# Allegro board pc051c_toplevel_209edited.brd (continued)
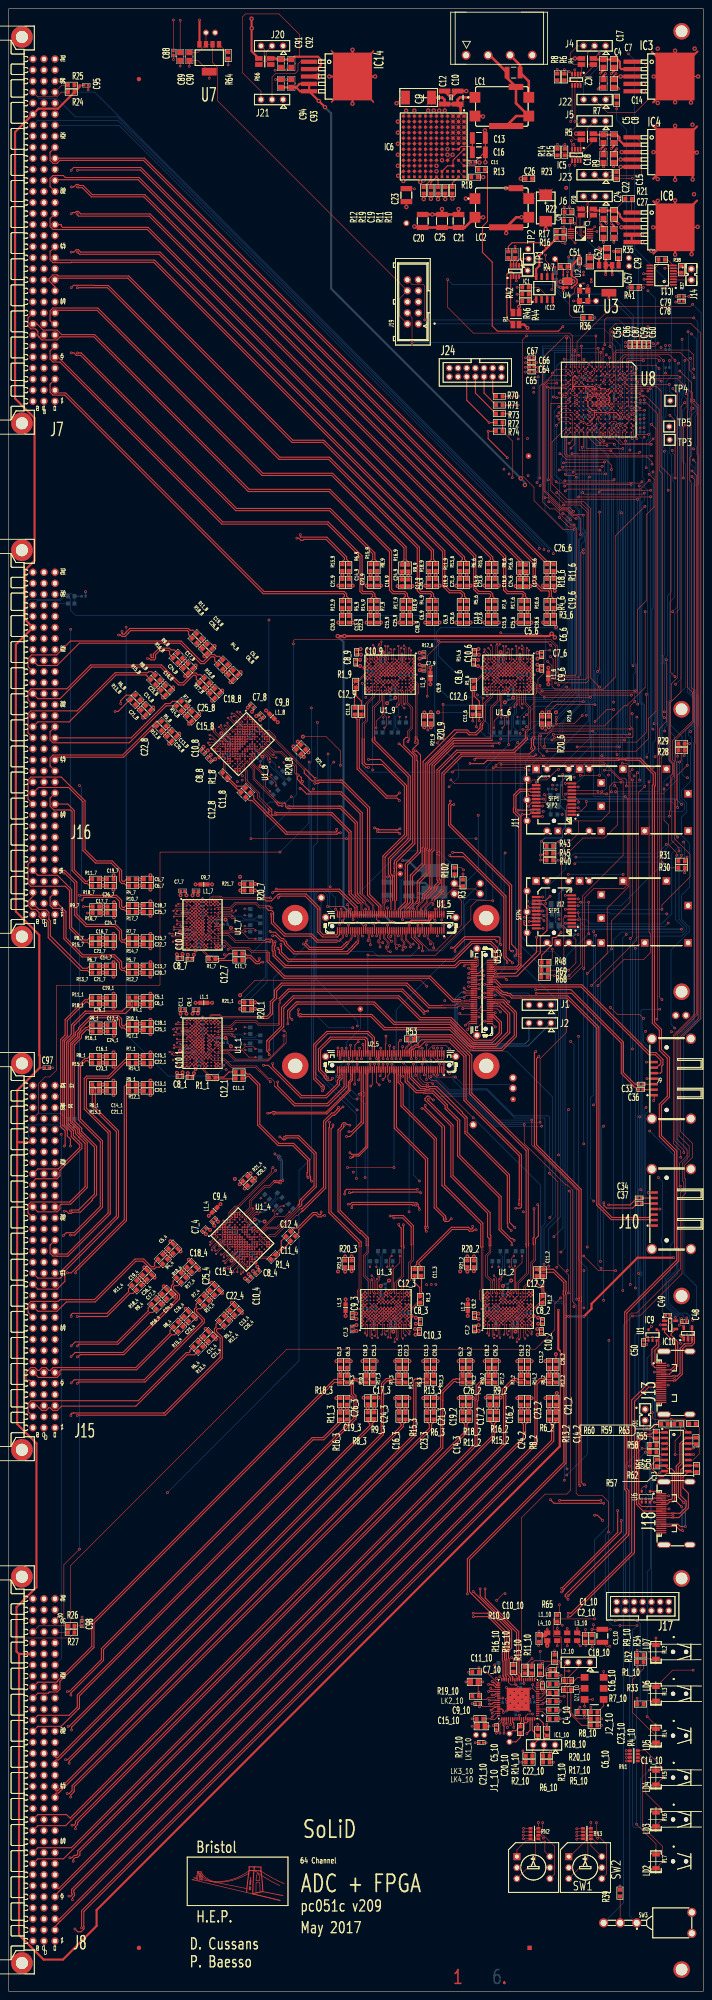
[diagram p0: board, top side]
## Nets (continued)
UNNAMED_1_LTM9007_I6_DCOB_2: R25_2.2(B<0>) U1_2.F9(DCOB+)
UNNAMED_1_LTM9007_I6_DCOB_3: R25_3.2(B<0>) U1_3.F9(DCOB+)
UNNAMED_1_LTM9007_I6_DCOB_4: R25_4.2(B<0>) U1_4.F9(DCOB+)
UNNAMED_1_LTM9007_I6_DCOB_6: R25_6.2(B<0>) U1_6.F9(DCOB+)
UNNAMED_1_LTM9007_I6_DCOB_7: R25_7.2(B<0>) U1_7.F9(DCOB+)
UNNAMED_1_LTM9007_I6_DCOB_8: R25_8.2(B<0>) U1_8.F9(DCOB+)
UNNAMED_1_LTM9007_I6_DCOB_9: R25_9.2(B<0>) U1_9.F9(DCOB+)
UNNAMED_1_LTM9007_I6_FRA_1: R22_1.1(A<0>) U1_1.H7(FRA-)
UNNAMED_1_LTM9007_I6_FRA_1_1: R22_1.2(B<0>) U1_1.H8(FRA+)
UNNAMED_1_LTM9007_I6_FRA_1_2: R22_2.2(B<0>) U1_2.H8(FRA+)
UNNAMED_1_LTM9007_I6_FRA_1_3: R22_3.2(B<0>) U1_3.H8(FRA+)
UNNAMED_1_LTM9007_I6_FRA_1_4: R22_4.2(B<0>) U1_4.H8(FRA+)
UNNAMED_1_LTM9007_I6_FRA_1_6: R22_6.2(B<0>) U1_6.H8(FRA+)
UNNAMED_1_LTM9007_I6_FRA_1_7: R22_7.2(B<0>) U1_7.H8(FRA+)
UNNAMED_1_LTM9007_I6_FRA_1_8: R22_8.2(B<0>) U1_8.H8(FRA+)
UNNAMED_1_LTM9007_I6_FRA_1_9: R22_9.2(B<0>) U1_9.H8(FRA+)
UNNAMED_1_LTM9007_I6_FRA_2: R22_2.1(A<0>) U1_2.H7(FRA-)
UNNAMED_1_LTM9007_I6_FRA_3: R22_3.1(A<0>) U1_3.H7(FRA-)
UNNAMED_1_LTM9007_I6_FRA_4: R22_4.1(A<0>) U1_4.H7(FRA-)
UNNAMED_1_LTM9007_I6_FRA_6: R22_6.1(A<0>) U1_6.H7(FRA-)
UNNAMED_1_LTM9007_I6_FRA_7: R22_7.1(A<0>) U1_7.H7(FRA-)
UNNAMED_1_LTM9007_I6_FRA_8: R22_8.1(A<0>) U1_8.H7(FRA-)
UNNAMED_1_LTM9007_I6_FRA_9: R22_9.1(A<0>) U1_9.H7(FRA-)
UNNAMED_1_LTM9007_I6_FRB_1: R24_1.1(A<0>) U1_1.J9(FRB-)
UNNAMED_1_LTM9007_I6_FRB_1_1: R24_1.2(B<0>) U1_1.J10(FRB+)
UNNAMED_1_LTM9007_I6_FRB_1_2: R24_2.2(B<0>) U1_2.J10(FRB+)
UNNAMED_1_LTM9007_I6_FRB_1_3: R24_3.2(B<0>) U1_3.J10(FRB+)
UNNAMED_1_LTM9007_I6_FRB_1_4: R24_4.2(B<0>) U1_4.J10(FRB+)
UNNAMED_1_LTM9007_I6_FRB_1_6: R24_6.2(B<0>) U1_6.J10(FRB+)
UNNAMED_1_LTM9007_I6_FRB_1_7: R24_7.2(B<0>) U1_7.J10(FRB+)
UNNAMED_1_LTM9007_I6_FRB_1_8: R24_8.2(B<0>) U1_8.J10(FRB+)
UNNAMED_1_LTM9007_I6_FRB_1_9: R24_9.2(B<0>) U1_9.J10(FRB+)
UNNAMED_1_LTM9007_I6_FRB_2: R24_2.1(A<0>) U1_2.J9(FRB-)
UNNAMED_1_LTM9007_I6_FRB_3: R24_3.1(A<0>) U1_3.J9(FRB-)
UNNAMED_1_LTM9007_I6_FRB_4: R24_4.1(A<0>) U1_4.J9(FRB-)
UNNAMED_1_LTM9007_I6_FRB_6: R24_6.1(A<0>) U1_6.J9(FRB-)
UNNAMED_1_LTM9007_I6_FRB_7: R24_7.1(A<0>) U1_7.J9(FRB-)
UNNAMED_1_LTM9007_I6_FRB_8: R24_8.1(A<0>) U1_8.J9(FRB-)
UNNAMED_1_LTM9007_I6_FRB_9: R24_9.1(A<0>) U1_9.J9(FRB-)
UNNAMED_2_1-HOLE_I191_A: LK4.1(A<0>) R3.1(A<0>) R102.1(A<0>) U1_5.90(JTAGEN)
UNNAMED_2_CAPCERSMDCL2_I261_B: C91.2(B<0>) C92.2(B<0>) IC14.2(IN) J21.3(A<2>) R66.2(C2<0>)
UNNAMED_2_CON3P_I232_A: J1.1(A<0>) U3_5.31(CLKIN2*)
UNNAMED_2_CON3P_I232_A_1: J1.3(A<2>) U3_5.33(CLKIN2)
UNNAMED_2_CON3P_I258_A: J20.3(A<2>) R66.3(S1<0>)
UNNAMED_2_CON3P_I258_A_1: J20.2(A<1>) R66.4(S2<0>)
UNNAMED_2_CON3P_I274_A: IC14.1(SHDN*) J21.2(A<1>)
UNNAMED_3_CAPCERSMDCL1_I104_A: C19.1(A<0>) IC6.F12(VFB) R19.2(B<0>)
UNNAMED_3_CAPCERSMDCL2_I44_B_10: C16_10.2(B<0>) QZ1_10.4(OUTP) R7_10.2(B<0>)
UNNAMED_3_CAPCERSMDCL2_I45_B_10: C14_10.2(B<0>) QZ1_10.5(OUTN) R4_10.2(B<0>)
UNNAMED_3_CAPCERSMDCL2_I57_B: C5.2(B<0>) C8.2(B<0>) IC4.2(IN) R5.2(C2<0>)
UNNAMED_3_CAPCERSMDCL2_I85_B: C22.2(B<0>) C24.2(B<0>) IC8.2(IN) R20.2(C2<0>) R21.1(A<0>)
UNNAMED_3_CAPCERSMDCL2_I119_<0>: C9.1(A<0>) C10.2(B<0>) C12.2(B<0>) IC6.A1(VIN<17>) IC6.A2(VIN<16>) IC6.A3(VIN<15>) IC6.A4(VIN<14>) IC6.A5(VIN<13>) IC6.A6(VIN<12>) IC6.B1(VIN<11>) IC6.B2(VIN<10>) IC6.B3(VIN<9>) IC6.B4(VIN<8>) IC6.B5(VIN<7>) IC6.B6(VIN<6>) IC6.C1(VIN<5>) IC6.C2(VIN<4>) IC6.C3(VIN<3>) IC6.C4(VIN<2>) IC6.C5(VIN<1>) IC6.C6(VIN<0>) LC1.1(B)
UNNAMED_3_CAPCERSMDCL2_I122_B: C11.2(B<0>) IC6.A9(TRACK/SS)
UNNAMED_3_CAPCERSMDCL2_I125_<0>: C13.2(B<0>) C16.2(B<0>) IC6.B7(VD<0>) IC6.C7(VD<1>)
UNNAMED_3_CAPCERSMDCL2_I133_B: C6.2(B<0>) J3.3(A<2>) LC1.2(CB)
UNNAMED_3_CAPCERSMDCL2_I134_B: C4.2(B<0>) C7.2(B<0>) IC3.2(IN) J22.3(A<2>) R4.2(C2<0>)
UNNAMED_3_CON3P_I83_A: IC7.1(V1) J6.3(A<2>) R20.3(S1<0>)
UNNAMED_3_CON3P_I83_A_1: IC7.2(V2) J6.2(A<1>) R20.4(S2<0>)
UNNAMED_3_CON3P_I173_A: IC3.1(SHDN*) J22.2(A<1>)
UNNAMED_3_CON3P_I173_A_1: J22.1(A<0>) R7.2(B<0>)
UNNAMED_3_CON3P_I174_A: IC4.1(SHDN*) J23.2(A<1>)
UNNAMED_3_CON3P_I174_A_1: J23.1(A<0>) R9.2(B<0>)
UNNAMED_3_INA219_I143_A0: IC2.7(A0) R8.2(B<0>)
UNNAMED_3_INA219_I143_A1: IC2.8(A1) R6.2(B<0>)
UNNAMED_3_INA219_I148_A0: IC5.7(A0) R15.1(A<0>)
UNNAMED_3_INA219_I148_A1: IC5.8(A1) R14.2(B<0>)
UNNAMED_3_INA219_I179_A0: IC1.7(A0) R2.2(B<0>)
UNNAMED_3_INA219_I179_A1: IC1.8(A1) R67.1(A<0>)
UNNAMED_3_LT1764A_I84_SHDN: IC8.1(SHDN*) R21.2(B<0>)
UNNAMED_3_LTC2990_I147_ADR0: IC7.8(ADR0) R17.1(A<0>)
UNNAMED_3_LTC2990_I147_ADR1: IC7.9(ADR1) R16.1(A<0>)
UNNAMED_3_LTM4606_I115_DRVCC<0>: IC6.A7(INTVCC) IC6.C10(DRVCC<0>) IC6.E11(DRVCC<1>) IC6.E12(DRVCC<2>)
UNNAMED_3_LTM4606_I115_FSET: IC6.B12(FSET) R10.2(B<0>) R11.1(A<0>)
UNNAMED_3_LTM4606_I115_MPGM1: IC6.A12(MPGM1) IC6.B11(MPGM2) R18.2(B<0>)
UNNAMED_3_LTM4606_I115_PGOOD: IC6.G12(PGOOD) R12.2(B<0>)
UNNAMED_3_LTM4606_I115_RUN1: IC6.A10(RUN1) IC6.B9(RUN2) R13.2(B<0>)
UNNAMED_3_OSC6PENDIFFOUT_I37_10: QZ1_10.1(ENDIS) R1_10.1(A<0>)
UNNAMED_3_RSMD0603_I57_B_10: IC1_10.39(I2C_SEL) R19_10.2(B<0>)
UNNAMED_3_RSMD0603_I58_B_10: IC1_10.11(OE*) R18_10.2(B<0>)
UNNAMED_3_RSMD0603_I60_B_10: IC1_10.48(FINC) R12_10.2(B<0>)
UNNAMED_3_RSMD0603_I62_B_10: IC1_10.25(FDEC) R15_10.2(B<0>)
UNNAMED_3_RSMD0603_I64_B_10: IC1_10.3(IN_SEL0) R17_10.2(B<0>)
UNNAMED_3_RSMD0603_I65_B_10: IC1_10.4(IN_SEL1) R20_10.2(B<0>)
UNNAMED_3_RSMD0603_I68_B_10: IC1_10.19(A0/CS) R16_10.2(B<0>)
UNNAMED_3_RSMD0603_I69_B_10: IC1_10.17(A1/SDO) R13_10.2(B<0>)
UNNAMED_5_LP38692_I130_EN: R64.1(A<0>) U7.1(EN)
UNNAMED_7_CAPCERSMDCL2_I3_A: C34.1(A<0>) J10.6(A<5>)
UNNAMED_7_CAPCERSMDCL2_I5_A: C37.1(A<0>) J10.5(A<4>)
UNNAMED_7_CAPCERSMDCL2_I11_A: C33.1(A<0>) J9.3(A<2>)
UNNAMED_7_CAPCERSMDCL2_I12_A: C36.1(A<0>) J9.2(A<1>)
UNNAMED_7_CAPCERSMDCL2_I16_B: C39.2(B<0>) C41.2(B<0>) J11.16(VCCT) L4.1(A<0>)
UNNAMED_7_CAPCERSMDCL2_I17_B: C32.2(B<0>) C35.2(B<0>) C38.2(B<0>) J11.15(VCCR) L2.2(B<0>)
UNNAMED_7_CAPCERSMDCL2_I27_B: C46.2(B<0>) C47.2(B<0>) J12.16(VCCT) L5.1(A<0>)
UNNAMED_7_CAPCERSMDCL2_I31_B: C43.2(B<0>) C44.2(B<0>) C45.2(B<0>) J12.15(VCCR) L3.2(B<0>)
UNNAMED_8_LED_I105_K: LD4.2(K) RN1.8(B<0>)
UNNAMED_8_LED_I107_K: LD3.2(K) RN1.7(B<0>)
UNNAMED_8_LED_I108_K: LD2.2(K) RN1.6(B<0>)
UNNAMED_8_LED_I285_K: LD7.2(K) R34.2(B<0>)
UNNAMED_8_LED_I288_K: LD6.2(K) R33.2(B<0>)
UNNAMED_8_LED_I293_K: LD5.2(K) R32.2(B<0>)
UNNAMED_11_24AA025E48_I159_A0: IC12.1(A0) R46.1(A<0>)
UNNAMED_11_24AA025E48_I159_A1: IC12.2(A1) R44.1(A<0>)
UNNAMED_11_24AA025E48_I159_A2: IC12.3(A2) R42.1(A<0>)
UNNAMED_11_CON2P_I154_A: IC11.3(DP) J14.2(A<1>)
UNNAMED_11_CON2P_I154_A_1: IC11.4(DM) J14.1(A<0>)
UNNAMED_11_LM82_I138_ADD: IC11.10(ADD<0>) R38.1(A<0>)
UNNAMED_11_LM82_I138_ADD_1: IC11.6(ADD<1>) R37.1(A<0>)
UNNAMED_11_LP38692_I193_EN: R35.1(A<0>) U3.1(EN)
UNNAMED_11_LP38692SD_I128_EN: R47.1(A<0>) U4.3(EN)
UNNAMED_11_RSMD0603_I137_A: R39.1(A<0>) SW3.2(A)
UNNAMED_15_CON2P_I271_A: IC13.4(EN) J31.2(A<1>) R60.1(A<0>)
UNNAMED_15_DS90LV032A_I246_EN: IC13.12(EN*) R59.2(B<0>)
UNNAMED_15_DS90LV032A_I246_RO_1: IC13.11(ROUT<0>) R63.1(A<0>)
UNNAMED_15_DS90LV032A_I246_RO_2: IC13.5(ROUT<0>) R62.1(A<0>)
UNNAMED_15_DS90LV032A_I246_ROUT: IC13.3(ROUT<0>) R61.1(A<0>)
VMON2V5A: IC5.1(VIN+) J5.3(A<2>) R5.3(S1<0>)
VMON2V5B: IC5.2(VIN-) J5.2(A<1>) R5.4(S2<0>)
VMON3V3A: IC2.1(VIN+) J4.3(A<2>) R4.3(S1<0>)
VMON3V3B: IC2.2(VIN-) J4.2(A<1>) R4.4(S2<0>)
VMON5V_FPGA_A: IC1.1(VIN+) R1.3(S1<0>)
VMON5V_FPGA_B: IC1.2(VIN-) R1.4(S2<0>)
XA_10: C16_10.1(A<0>) IC1_10.8(XA) J2_10.3(A<2>) R8_10.2(B<0>)
XB_10: C14_10.1(A<0>) IC1_10.9(XB) J2_10.2(A<1>) R8_10.1(A<0>)

Pads without a net: IC1_10 1 2 5 7 10 14 15 20 21 55 56; IC6 A8 A11 C11 C12 D11 D12 J12 K12 L12; IC11 1 5 9 11 13 15; IC12 7; J7 1 2; J8 1 2; J13 13 14 15 16 17 18 19; J15 1 2 B26; J16 1 2; J17 1 12 13 14; J18 13 14 17 18 19; J19 5 6; J24 1 12 13 14; NOREF#2 1; NOREF#6 1; NOREF#9 1; NOREF#10 1; NOREF#16 1; NOREF#21 1; NOREF#32 1; NOREF#36 1; NOREF#39 1; NOREF#54 1; NOREF#55 1; NOREF#57 1; QZ1 1; QZ1_10 2; RN1 5; SFP1 NC; SFP2 NC; SFP3 NC; SFP4 NC; U1_1 B3 B6 C7 C8 D7 D8 E9 E10 F3 F7 F8 J3 K7 K8 L9 L10 M9 M10 N3 N8 P8; U1_2 B3 B6 C7 C8 D7 D8 E9 E10 F3 F7 F8 J3 K7 K8 L9 L10 M9 M10 N3 N8 P8; U1_3 B3 B6 C7 C8 D7 D8 E9 E10 F3 F7 F8 J3 K7 K8 L9 L10 M9 M10 N3 N8 P8; U1_4 B3 B6 C7 C8 D7 D8 E9 E10 F3 F7 F8 J3 K7 K8 L9 L10 M9 M10 N3 N8 P8; U1_5 3 5 9 11 80 101 102; U1_6 B3 B6 C7 C8 D7 D8 E9 E10 F3 F7 F8 J3 K7 K8 L9 L10 M9 M10 N3 N8 P8; U1_7 B3 B6 C7 C8 D7 D8 E9 E10 F3 F7 F8 J3 K7 K8 L9 L10 M9 M10 N3 N8 P8; U1_8 B3 B6 C7 C8 D7 D8 E9 E10 F3 F7 F8 J3 K7 K8 L9 L10 M9 M10 N3 N8 P8; U1_9 B3 B6 C7 C8 D7 D8 E9 E10 F3 F7 F8 J3 K7 K8 L9 L10 M9 M10 N3 N8 P8; U2_5 6 30 101 102; U3_5 55 56 61 62; U8 A1 C2 C5 C6 C8 C9 C10 C11 C12 C13 C14 C15 D1 D4 D6 D7 D8 D9 D10 D11 D13 D14 D16 E4 E5 E6 E7 E8 E9 E10 E11 E12 E13 F5 F12 F13 G1 G2 G4 G5 G11 G12 G13 H4 H5 H12 H13 J4 J5 J12 J13 J16 K4 K5 K12 L3 L4 L5 L12 L13 L14 M2 M3 M4 M5 M6 M7 M8 M9 M10 M11 M12 M13 M14 N3 N4 N5 N6 N7 N8 N9 N10 N11 N13 N14 P2 P4 P6 P7 P8 P9 P10 P11 P13 P14 T2 T9 T11 T12 T13 T14

## Via types
v1: diameter 0.61, hole 0.33, TOP to BOTTOM, 1329 vias
v2: diameter 0.914, hole 0.406, TOP to BOTTOM, 412 vias
v3: diameter 1.016, hole 0.5, TOP to BOTTOM, 97 vias
v4: diameter 0.476, hole 0.2, TOP to BOTTOM, 896 vias

## Routing (per net, layer and track width the routed paths; a pad name or vN(x,y) marks a point on that pad's centre or on a via; arc(x,y) is an arc through that point)
1.5VOUT: length 29.9
  TOP w0.18: U2_5.20 v1(95.75,214.57)
  L4 w0.13: LK10.1 98.5,205.25 95.16,208.59 95.16,212.15 95.75,212.75 v1(95.75,214.57)
1.8VOUT: length 12.1
  TOP w0.18: U1_5.40 v1(90.75,246.57)
  BOTTOM w0.13: LK11.1 90.14,257.09 90.14,247.17 v1(90.75,246.57)
3.3VCTREF: length 21
  TOP w0.18: U1_5.13 v1(97.25,245.33)
  BOTTOM w0.13: LK12.1 91.25,257.9 91.25,256.37 90.4,255.52 90.4,247.9 91.5,246.8 95.78,246.8 v1(97.25,245.33)
3.3VOUT: length 22.3
  TOP w0.13: v1(102.88,210.37) 98.44,210.37 97.95,210.87 98.25,211.17 U2_5.9
  TOP w0.18: U2_5.11 97.75,210.87 97.95,210.87
  BOTTOM w0.13: v1(102.88,210.37) 104.58,208.66 115.29,208.66 LK1.1
3V3_CONN: length 93.2
  TOP w0.13: LK20.1 U7.3 ; U7.3 U7.2 46.95,443.83 48.11,442.67 48.11,435.01 J19.8 90.1,389.56 90.1,385.4 J19.2 ; U7.3 45.45,447.96 43.59,446.1 C90.2
DGND: length 24.3
  TOP w0.6: J3.2 110.8,445.5 C6.1 114.8,440.25 LC1.5 116.85,434.45 LC1.4 116.9,431.5 LC1.6
GND_SIGNAL: length 2855.8
  TOP w0.129: U8.G9 v1(137.9,366.25) U8.G8 ; v1(137.95,368.35) 137.4,367.8 U8.G7 ; IC9.2 v1(150.1,153.35) ; U8.K7 v1(133.9,368.25)
  TOP w0.13: U1_1.A5 v4(43.85,222.95) ; U1_1.A5 44.65,223.75 ; U1_1.A5 v4(43.85,223.75) U1_1.A4 ; v4(43.85,222.95) U1_1.A4 ; v4(43.85,222.95) U1_1.B4 ; v4(43.85,222.95) U1_1.B5 U1_1.C6 U1_1.D5 ; U1_6.K5 v4(112.6,302.95) U1_6.K6 v4(113.4,302.95) ; U1_6.K5 113.28,303.63 113.4,303.63 ; U1_6.K5 v4(112.6,303.75) ; U1_6.K5 v4(113.4,302.95) ; U1_6.A6 v4(119.8,302.15) ; U1_6.A6 v4(120.6,302.15) U1_6.A7 v4(119.8,302.15) ; U1_6.A6 120.6,302.95 ; v4(119.8,302.15) U1_6.B7 ; U1_1.P3 42.65,212.65 v2(43.05,212.25) ; U1_1.P3 v4(42.25,213.35) U1_1.P2 v4(41.45,212.55) U1_1.P1 v4(40.65,212.55) ; U1_1.P3 v4(43.05,213.35) ; U1_4.K5 v4(55.5,171.3) U1_4.K6 v4(54.93,171.87) ; U1_4.K5 v4(54.93,170.74) ; U1_4.K5 v4(54.93,171.87) ; U1_4.K5 v4(54.37,171.3) ; v4(81.3,160.2) 81.42,160.2 ; 81.42,160.2 81.42,160.32 U1_3.A10 ; 81.42,160.2 81.42,160.08 U1_3.A9 ; v4(43.05,218.95) U1_1.G3 ; v4(43.05,218.95) U1_1.F4 ; v4(43.05,218.95) U1_1.G4 ; U1_1.G3 v4(42.25,218.95) U1_1.F2 ; U1_1.G3 v4(43.05,218.15) ; U1_1.G3 v4(42.25,218.15) U1_1.H3 ; v4(87.85,303.75) U1_9.H5 ; v4(87.85,303.75) U1_9.G5 ; v4(87.85,303.75) U1_9.H4 ; v4(87.85,303.75) U1_9.G4 ; U1_9.H5 v4(87.85,302.95) ; U1_9.H5 v4(87.05,303.75) ; U1_9.H5 v4(87.05,302.95) ; R14.1 v1(126.4,425) ; U1_3.G5 v4(86.9,157) ; U1_3.G5 v4(86.9,156.2) ; U1_3.G5 v4(86.1,156.2) ; U1_3.G5 v4(86.1,157) ; v4(86.9,157) U1_3.G6 v4(86.1,157) ; v4(86.9,157) U1_3.H6 v4(87.7,157) ; v4(86.9,157) U1_3.H5 ; U1_4.A5 v4(49.27,176.39) U1_4.A4 ; U1_4.A5 v4(49.84,175.83) ; U1_4.A5 49.84,176.96 ; C65.1 v1(119.05,372.6) ; v4(119.8,303.75) U1_6.B5 U1_6.C6 U1_6.D5 ; v4(119.8,303.75) U1_6.B4 ; v4(119.8,303.75) U1_6.A5 ; v4(119.8,303.75) U1_6.A4 ; R42.2 v1(117.1,392.1) ; U1_6.A9 120.48,299.87 120.48,299.75 ; U1_6.A9 119.8,299.75 ; U1_6.A9 120.5,300.45 v4(120.7,300.45) ; U1_6.A9 v4(119.8,300.55) U1_6.B9 119.8,299.75 ; U1_1.F4 v4(43.85,218.95) ; U1_1.F4 v4(43.85,219.75) U1_1.F5 v4(44.65,218.95) ; v4(43.85,218.95) U1_1.G5 ; v4(43.85,218.95) U1_1.G4 ; U1_4.J4 v4(53.23,171.3) ; U1_4.J4 v4(54.37,171.3) ; U1_4.J4 v4(53.8,171.87) ; v4(53.23,171.3) U1_4.H3 ; v4(53.23,171.3) U1_4.H4 ; U1_7.B7 v4(45.45,250.2) ; v4(45.45,250.2) U1_7.A7 v4(45.45,251) U1_7.A6 ; v4(45.45,250.2) U1_7.A6 ; 116.65,156.32 v4(116.65,156.2) U1_2.J4 ; 116.65,156.32 116.77,156.32 U1_2.K5 ; 116.65,156.32 116.53,156.32 U1_2.J5 ; v4(52.72,287) U1_8.J4 ; v4(52.72,287) U1_8.H5 ; v4(52.72,287) U1_8.H4 ; v4(52.72,287) U1_8.J5 ; U1_8.J4 v4(52.15,286.43) ; U1_8.J4 v4(52.15,287.57) ; U1_8.G4 v4(53.28,288.7) ; U1_8.G4 v4(53.85,288.13) ; U1_8.G4 v4(52.72,288.13) ; U1_8.G4 v4(53.28,287.57) ; v4(53.28,288.7) U1_8.F4 ; v4(53.28,288.7) U1_8.G3 ; v4(88.65,302.95) U1_9.G6 v4(87.85,302.95) ; v4(88.65,302.95) U1_9.F6 ; v4(88.65,302.95) U1_9.G5 ; v4(88.65,302.95) U1_9.F5 v4(89.45,303.75) U1_9.F4 ; U1_7.J4 v4(43.85,243.8) 43.97,243.8 ; U1_7.J4 v4(43.85,244.6) ; U1_7.J4 v4(43.05,244.6) ; v4(54.37,171.3) U1_4.J5 ; U1_1.K5 43.97,216.43 43.97,216.55 ; U1_1.K5 v4(44.65,216.55) ; U1_1.K5 v4(44.65,215.75) U1_1.K6 v4(44.65,216.55) ; U1_1.K5 v4(43.85,215.75) ; U1_7.B4 v4(43.05,250.2) U1_7.A4 ; U1_7.B4 v4(43.05,249.4) ; U1_7.B4 v4(43.85,250.2) ; v4(43.05,244.6) U1_7.H3 ; v4(43.05,244.6) U1_7.H4 ; U1_7.H3 v4(43.05,245.4) ; U1_7.H3 v4(42.25,245.4) U1_7.G3 ; 119.8,299.75 U1_6.B10 v4(119.8,298.95) U1_6.A10 ; 119.8,299.75 U1_6.A10 ; 81.42,155.4 81.42,155.28 U1_3.A3 v4(81.3,154.6) U1_3.A2 v4(81.3,153.8) U1_3.A1 v4(81.3,153) ; 81.42,155.4 v4(81.3,155.4) ; 81.42,155.4 81.42,155.52 U1_3.A4 ; v4(52.72,285.87) U1_8.J6 v4(53.28,286.43) ; v4(52.72,285.87) U1_8.J5 ; v4(52.72,285.87) U1_8.K6 v4(52.15,285.3) U1_8.K5 ; v4(52.72,285.87) U1_8.K5 ; v4(93.55,300.45) 93.35,300.45 U1_9.A9 ; v4(54.37,172.43) U1_4.H5 ; v4(54.37,172.43) U1_4.H6 v4(53.8,173) ; v4(54.37,172.43) U1_4.J5 ; v4(54.37,172.43) U1_4.J6 v4(54.93,171.87) ; U1_4.H5 v4(53.23,172.43) ; U1_4.H5 v4(53.8,171.87) ; U1_4.H5 v4(53.8,173) ; U1_1.N5 v4(44.65,213.35) U1_1.N6 v4(45.45,213.35) ; 92.65,299.75 U1_9.A9 ; 92.65,299.75 U1_9.A10 ; 92.65,299.75 U1_9.B10 v4(92.65,298.95) U1_9.A10 ; 92.65,299.75 U1_9.B9 v4(92.65,300.55) U1_9.A9 ; U1_9.A9 93.33,299.87 93.33,299.75 ; U1_3.A5 v4(81.3,156.2) U1_3.A4 ; U1_3.A5 81.3,157 ; U1_3.A5 v4(82.1,156.2) ; v4(90,152.9) 89.7,153.2 U1_3.L1 v4(90.1,153.8) U1_3.L2 v4(90.1,154.6) U1_3.M3 v4(90.1,155.4) U1_3.M4 v4(90.9,155.4) U1_3.N4 v4(91.7,155.4) ; R39.2 v1(140.8,24.25) ; U1_8.H3 v4(52.15,288.7) U1_8.G3 ; U1_8.H3 v4(52.72,288.13) ; U1_8.H3 v4(52.15,287.57) ; U1_6.G5 v4(115.8,303.75) ; U1_6.G5 v4(115.8,302.95) ; U1_6.G5 v4(115,302.95) ; U1_6.G5 v4(115,303.75) ; v4(115.8,303.75) U1_6.F4 ; v4(115.8,303.75) U1_6.G4 ; U1_7.F4 v4(43.05,246.2) ; U1_7.F4 v4(43.85,246.2) ; U1_7.F4 v4(43.85,247) U1_7.F5 v4(44.65,246.2) ; v4(43.05,246.2) U1_7.G4 ; v4(43.05,246.2) U1_7.G3 ; 47.85,222.95 U1_1.B9 v4(47.05,222.95) U1_1.A9 ; 47.85,222.95 U1_1.A10 ; 47.85,222.95 U1_1.A9 ; 47.85,222.95 U1_1.B10 v4(48.65,222.95) U1_1.A10 ; U1_1.A4 43.17,223.63 43.05,223.63 ; U1_1.A4 v4(43.05,222.95) U1_1.B4 ; 43.05,250.88 42.93,250.88 U1_7.A3 v4(42.25,251) U1_7.A2 v4(41.45,251) U1_7.A1 v4(40.65,251) ; 43.05,250.88 43.17,250.88 U1_7.A4 ; 43.05,250.88 v4(43.05,251) ; v4(115,303.75) U1_6.G4 ; v4(115,303.75) U1_6.H4 ; v4(115,303.75) U1_6.H5 ; U1_6.G4 v4(115,304.55) ; U1_6.G4 v4(115.8,304.55) ; 52.67,178.66 U1_4.A10 ; 52.67,178.66 U1_4.B10 v4(53.23,179.22) U1_4.A10 ; 52.67,178.66 U1_4.B9 v4(52.1,178.09) U1_4.A9 ; 52.67,178.66 U1_4.A9 ; U1_4.A10 v4(52.1,179.22) U1_4.A9 ; U1_4.A4 v4(49.27,175.26) U1_4.B4 ; U1_4.A4 v4(49.84,175.83) ; U1_4.A4 v4(48.71,175.83) U1_4.A3 v4(48.14,175.26) U1_4.A2 v4(47.58,174.7) U1_4.A1 v4(47.01,174.13) ; v4(43.05,217.35) U1_1.H4 ; v4(43.05,217.35) U1_1.J4 ; v4(43.05,217.35) U1_1.H3 ; U1_1.H4 v4(43.85,218.15) ; U1_1.H4 v4(43.85,217.35) ; U1_1.H4 v4(43.05,218.15) ; 120.48,304.55 120.48,304.67 U1_6.A3 v4(120.6,305.35) U1_6.A2 v4(120.6,306.15) U1_6.A1 v4(120.6,306.95) ; 120.48,304.55 120.48,304.43 U1_6.A4 ; 120.48,304.55 v4(120.6,304.55) ; U1_6.A10 120.48,299.63 120.48,299.75 ; J13.2 v1(151.92,144) ; U1_8.A4 v4(56.68,292.09) U1_8.A3 v4(56.11,292.66) U1_8.A2 v4(55.55,293.22) U1_8.A1 v4(54.98,293.79) ; U1_8.A4 v4(56.11,291.53) U1_8.B4 ; U1_8.A4 v4(56.68,290.96) ; U1_8.A4 v4(57.24,291.53) U1_8.A5 ; U1_9.H3 v4(87.85,304.55) ; U1_9.H3 v4(87.05,304.55) ; U1_9.H3 v4(87.85,305.35) U1_9.G3 ; v4(87.85,304.55) U1_9.H4 ; v4(87.85,304.55) U1_9.G3 ; v4(87.85,304.55) U1_9.G4 ; v4(58.33,169.61) U1_4.P7 v4(57.76,170.17) ; U1_4.G4 v4(52.67,171.87) ; U1_4.G4 v4(52.1,172.43) ; U1_4.G4 v4(52.67,173) ; U1_4.G4 v4(53.23,172.43) ; v4(52.67,171.87) U1_4.H4 ; v4(52.67,171.87) U1_4.H3 ; v4(52.67,171.87) U1_4.G3 ; U1_2.B7 v4(110.25,157.8) ; v4(110.25,157.8) U1_2.A7 v4(109.45,157.8) U1_2.A6 ; v4(110.25,157.8) U1_2.A6 ; v4(44.65,244.6) U1_7.J6 v4(44.65,243.8) ; v4(44.65,244.6) U1_7.H6 v4(44.65,245.4) ; v4(44.65,244.6) U1_7.J5 ; v4(44.65,244.6) U1_7.H5 ; U1_8.B4 v4(56.68,290.96) ; U1_8.B4 v4(55.55,290.96) ; v4(56.68,290.96) U1_8.B5 U1_8.C6 U1_8.D5 ; v4(56.68,290.96) U1_8.A5 ; v2(120.95,155.4) 120.55,155 U1_2.P3 ; v4(87.05,304.55) U1_9.J4 ; v4(87.05,304.55) U1_9.H4 ; v4(44.65,243.8) U1_7.K6 v4(44.65,243) U1_7.K5 ; v4(44.65,243.8) U1_7.K5 ; v4(44.65,243.8) U1_7.J5 ; U1_3.H5 v4(87.7,156.2) ; U1_3.H5 v4(87.7,157) ; U1_3.H5 v4(86.9,156.2) ; v4(87.7,156.2) U1_3.J4 ; v4(87.7,156.2) U1_3.J5 ; v4(87.7,156.2) U1_3.H4 ; v4(52.1,172.43) U1_4.G3 ; v4(52.1,172.43) U1_4.F4 ; U1_4.A9 51.68,178.66 v4(51.54,178.8) ; v4(51.59,288.13) U1_8.J2 U1_8.J1 49.75,288.7 v2(48.97,289.47) ; v1(61.35,442.05) 62.05,442.05 C91.1 ; U1_7.G4 v4(43.05,245.4) ; U1_7.G4 v4(43.85,246.2) ; U1_7.G4 v4(43.85,245.4) ; U1_3.A9 v4(82.1,159.4) U1_3.B9 82.1,160.2 ; U1_3.A9 82.1,160.2 ; U1_3.A9 81.4,159.5 v4(81.2,159.5) ; U2_5.59 85.75,210.85 v1(85.55,210.65) ; v4(47.85,240.6) U1_7.P9 v4(47.85,239.8) U1_7.P10 ; v4(47.85,240.6) U1_7.P10 ; v4(47.85,240.6) U1_7.N9 ; v4(47.85,240.6) U1_7.N10 v4(48.65,240.6) U1_7.P10 ; U1_9.H4 v4(87.05,303.75) ; v1(156.2,154.95) 156.2,154.7 156.1,154.6 C48.1 ; U1_3.F2 v4(85.3,153.8) U1_3.F1 ; U1_3.F2 v4(85.3,154.6) ; U1_3.F2 v4(86.1,154.6) U1_3.G3 ; v4(53.85,288.13) U1_8.F4 ; v4(53.85,288.13) U1_8.G5 ; 81.3,157 U1_3.A6 ; 81.3,157 v4(80.8,157) ; v4(44.65,218.95) U1_1.F6 ; v4(44.65,218.95) U1_1.G5 ; v4(44.65,218.95) U1_1.G6 v4(44.65,218.15) ; U1_6.H9 114.57,300.12 114.57,299.38 U1_6.H10 114.57,299.32 114.57,298.89 v4(114.25,298.56) ; v4(56.06,168.47) U1_4.N4 v4(55.5,169.04) U1_4.M4 v4(54.93,169.61) U1_4.M3 v4(54.37,169.04) U1_4.L2 v4(53.8,168.47) U1_4.L1 53.09,168.33 v4(53.09,167.91) ; v4(56.06,168.47) U1_4.P3 ; v4(56.06,168.47) U1_4.P4 ; U2_5.60 85.69,215.86 v1(85.69,217.01) ; v4(87.05,303.75) U1_9.J4 ; v4(87.05,303.75) U1_9.J5 ; U1_9.J4 v4(86.25,303.75) 86.25,303.63 ; v2(38.14,159.81) C24_4.1 C17_4.1 v2(35.73,162.22) ; U1_3.K5 v4(89.3,157) U1_3.K6 v4(88.5,157) ; U1_3.K5 v4(88.5,157) ; U1_3.K5 88.62,156.32 88.5,156.32 ; U1_3.K5 v4(89.3,156.2) ; U1_8.F4 v4(54.42,288.7) U1_8.F5 v4(54.42,287.57) ; v4(115.81,161.39) 115.48,161.06 115.48,160.63 U1_2.H10 115.48,160.57 115.48,159.83 U1_2.H9 ; 82.1,160.2 U1_3.A10 ; 82.1,160.2 U1_3.B10 v4(82.1,161) U1_3.A10 ; v4(53.23,173.57) U1_4.G5 ; v4(53.23,173.57) U1_4.F5 v4(52.1,173.57) U1_4.F4 ; v4(53.23,173.57) U1_4.F6 ; v4(53.23,173.57) U1_4.G6 v4(53.8,173) ; U1_4.G5 v4(53.23,172.43) ; U1_4.G5 v4(53.8,173) ; U1_4.G5 v4(52.67,173) ; U1_9.G3 v4(88.65,305.35) U1_9.F2 ; U1_9.G3 v4(88.65,304.55) ; U1_2.H4 v4(115.85,156.2) ; U1_2.H4 v4(115.05,156.2) ; U1_2.H4 v4(115.05,155.4) ; U1_2.H4 v4(115.85,155.4) ; v4(115.85,156.2) U1_2.J4 ; v4(115.85,156.2) U1_2.J5 ; v4(115.85,156.2) U1_2.H5 ; v2(81.95,304.55) 82.35,304.95 U1_9.P3 ; U1_6.D5 v4(117.4,303.75) U1_6.E5 ; U1_6.D5 v4(118.2,303.75) U1_6.C4 v4(119,304.55) ; U1_7.J5 43.97,243.92 43.97,243.8 ; U1_7.J5 v4(43.85,244.6) ; U1_6.H4 v4(115,304.55) ; U1_6.H4 v4(114.2,304.55) ; U1_6.H4 v4(114.2,303.75) ; v4(115,304.55) U1_6.H3 ; v4(115,304.55) U1_6.G3 ; v4(119.85,155.4) U1_2.P3 ; v4(119.85,155.4) U1_2.P4 ; v4(119.85,155.4) U1_2.N4 v4(119.05,155.4) U1_2.M4 v4(118.25,155.4) U1_2.M3 v4(118.25,154.6) U1_2.L2 v4(118.25,153.8) U1_2.L1 117.85,153.2 v4(118.15,152.9) ; U1_2.P3 v4(119.85,154.6) U1_2.P2 v4(120.65,153.8) U1_2.P1 v4(120.65,153) ; 44.65,223.75 v4(44.65,224.25) ; 44.65,223.75 U1_1.A6 ; U1_7.H4 v4(43.05,245.4) ; U1_7.H4 v4(43.85,244.6) ; U1_7.H4 v4(43.85,245.4) ; v4(43.05,245.4) U1_7.G3 ; v2(88.6,151.8) 88.6,152.9 U1_3.J1 U1_3.J2 v4(87.7,154.6) ; v4(91.7,160.2) U1_3.P9 v4(92.5,160.2) U1_3.P10 ; v4(91.7,160.2) U1_3.N9 ; v4(91.7,160.2) U1_3.P10 ; v4(91.7,160.2) U1_3.N10 v4(91.7,161) U1_3.P10 ; C52.1 v1(132.7,397.05) ; U1_6.F2 v4(115.8,305.35) U1_6.G3 ; U1_6.F2 v4(116.6,306.15) U1_6.F1 ; U1_6.F2 v4(116.6,305.35) ; U1_8.H4 v4(52.72,288.13) ; U1_8.H4 v4(53.28,287.57) ; U1_8.H4 v4(52.15,287.57) ; v4(52.72,288.13) U1_8.G3 ; v4(45.45,240.6) U1_7.N6 v4(44.65,240.6) U1_7.N5 ; v4(45.45,240.6) U1_7.P7 v4(45.45,239.8) ; v4(45.45,240.6) U1_7.N7 ; v4(50.97,176.96) U1_4.A7 v4(50.41,177.53) U1_4.A6 ; v4(50.97,176.96) U1_4.B7 ; v4(50.97,176.96) U1_4.A6 ; v4(110.2,304.55) U1_6.P3 ; v4(110.2,304.55) U1_6.P4 ; v4(110.2,304.55) U1_6.N4 v4(111,304.55) U1_6.M4 v4(111.8,304.55) U1_6.M3 v4(111.8,305.35) U1_6.L2 v4(111.8,306.15) U1_6.L1 112.2,306.75 v4(111.9,307.05) ; U1_6.P3 109.5,304.95 v2(109.1,304.55) ; U1_6.P3 v4(110.2,305.35) U1_6.P2 v4(109.4,306.15) U1_6.P1 v4(109.4,306.95) ; v4(49.84,174.7) U1_4.C3 ; v4(49.84,174.7) U1_4.C4 v4(50.97,174.7) U1_4.D5 ; v4(49.84,174.7) U1_4.B4 ; U1_4.C3 v4(49.84,173.57) U1_4.D2 U1_4.D1 49.27,172.39 v4(48.43,171.55) ; U1_4.C3 v4(49.27,174.13) ; U1_2.C3 v4(111.05,154.6) ; U1_2.C3 v4(111.85,154.6) U1_2.D2 U1_2.D1 112.28,153.37 v4(112.28,152.17) ; U1_2.C3 v4(111.05,155.4) ; v4(42.25,247) U1_7.F2 ; U1_7.F2 v4(42.25,246.2) U1_7.G3 ; U1_7.F2 v4(41.45,247) U1_7.F1 ; J18.2 v1(152,114) ; U1_6.H5 v4(115,302.95) ; U1_6.H5 v4(114.2,303.75) ; U1_6.H5 v4(114.2,302.95) ; v4(115,302.95) U1_6.H6 v4(114.2,302.95) ; v4(115,302.95) U1_6.G6 v4(115.8,302.95) ; U1_2.K5 v4(116.65,157) ; U1_2.K5 v4(117.45,157) U1_2.K6 v4(116.65,157) ; U1_2.K5 v4(117.45,156.2) ; v4(116.65,157) U1_2.J6 v4(115.85,157) ; v4(116.65,157) U1_2.J5 ; 43.05,223.63 42.93,223.63 U1_1.A3 v4(42.25,223.75) U1_1.A2 v4(41.45,223.75) U1_1.A1 v4(40.65,223.75) ; 43.05,223.63 v4(43.05,223.75) ; U1_6.F4 v4(116.6,303.75) U1_6.F5 v4(115.8,302.95) ; U1_6.F4 v4(115.8,304.55) ; 110.25,160.2 U1_2.B10 v4(110.25,161) U1_2.A10 ; 110.25,160.2 U1_2.A9 ; 110.25,160.2 U1_2.B9 v4(110.25,159.4) U1_2.A9 ; 110.25,160.2 U1_2.A10 ; v4(88.5,157) U1_3.J5 ; v4(88.5,157) U1_3.J6 v4(87.7,157) ; U1_1.A6 v4(45.45,222.95) ; U1_1.A6 v4(45.45,223.75) U1_1.A7 v4(45.45,222.95) ; U1_8.P3 48.55,284.53 v2(48.55,283.96) ; U1_8.P3 v4(49.32,284.74) ; U1_8.P3 v4(48.76,285.3) U1_8.P2 v4(47.63,285.3) U1_8.P1 v4(47.06,285.87) ; U1_3.D5 v4(83.7,156.2) U1_3.C4 v4(82.9,155.4) ; U1_3.D5 U1_3.C6 U1_3.B5 v4(82.1,156.2) ; U1_3.D5 v4(84.5,156.2) U1_3.E5 ; v4(44.65,217.35) U1_1.J6 v4(44.65,216.55) ; v4(44.65,217.35) U1_1.H5 ; v4(44.65,217.35) U1_1.J5 ; v4(44.65,217.35) U1_1.H6 v4(44.65,218.15) ; v4(56.42,283.37) 56.42,283.82 56.11,284.12 U1_8.H10 56.07,284.17 55.55,284.69 U1_8.H9 ; v4(114.2,305.35) U1_6.J2 U1_6.J1 113.3,307.05 v2(113.3,308.15) ; v4(53.23,172.43) U1_4.H4 ; v4(119.85,157.8) U1_2.P7 v4(120.65,157.8) ; v4(119.85,157.8) U1_2.N7 ; v4(119.85,157.8) U1_2.N6 v4(119.85,157) U1_2.N5 ; U1_9.K5 86.13,303.63 86.25,303.63 ; U1_9.K5 v4(85.45,302.95) U1_9.K6 v4(86.25,302.95) ; U1_9.K5 v4(86.25,302.95) ; U1_9.K5 v4(85.45,303.75) ; U1_1.G5 v4(43.85,218.15) ; U1_1.G5 v4(44.65,218.15) ; v1(130.15,425) 130.43,424.73 IC5.3 ; U1_4.H4 v4(53.8,171.87) ; v4(53.8,171.87) U1_4.J5 ; U1_7.P10 v4(48.65,239.8) ; v4(110.2,302.15) U1_6.P7 v4(109.4,302.15) ; v4(110.2,302.15) U1_6.N6 v4(110.2,302.95) U1_6.N5 ; v4(110.2,302.15) U1_6.N7 ; v4(57.76,170.17) U1_4.N6 v4(57.19,169.61) U1_4.N5 ; v4(57.76,170.17) U1_4.N7 ; v2(116.75,151.8) 116.75,152.9 U1_2.J1 U1_2.J2 v4(115.85,154.6) ; 109.45,157 U1_2.A5 ; 109.45,157 U1_2.A6 ; 109.45,157 v4(108.95,157) ; U1_2.A5 v4(110.25,156.2) ; U1_2.A5 v4(109.45,156.2) U1_2.A4 ; U1_3.H3 v4(86.9,155.4) ; U1_3.H3 v4(86.9,154.6) U1_3.G3 ; U1_3.H3 v4(87.7,155.4) ; v4(86.9,155.4) U1_3.G3 ; v4(86.9,155.4) U1_3.G4 ; v4(86.9,155.4) U1_3.H4 ; v4(49.32,284.74) U1_8.N4 v4(49.89,285.3) U1_8.M4 v4(50.46,285.87) U1_8.M3 v4(49.89,286.43) U1_8.L2 v4(49.32,287) U1_8.L1 49.18,287.71 v4(48.76,287.71) ; v4(49.32,284.74) U1_8.P4 ; U1_2.P10 v4(120.65,161) ; U1_2.P10 v4(120.65,160.2) U1_2.P9 v4(119.85,160.2) ; U1_2.P10 v4(119.85,161) U1_2.N10 v4(119.85,160.2) ; U1_2.P10 v4(119.85,160.2) ; U1_9.D5 U1_9.C6 U1_9.B5 v4(92.65,303.75) ; U1_9.D5 v4(91.05,303.75) U1_9.C4 v4(91.85,304.55) ; U1_9.D5 v4(90.25,303.75) U1_9.E5 ; v4(43.05,222.15) U1_1.C4 v4(43.85,221.35) U1_1.D5 ; v4(43.05,222.15) U1_1.B4 ; v4(43.05,222.15) U1_1.C3 ; v4(43.85,218.15) U1_1.G4 ; v4(43.85,218.15) U1_1.H5 ; U1_1.G4 v4(43.05,218.15) ; U1_2.F2 v4(113.45,153.8) U1_2.F1 ; U1_2.F2 v4(113.45,154.6) ; U1_2.F2 v4(114.25,154.6) U1_2.G3 ; U1_1.A9 47.73,223.63 47.85,223.63 ; U1_1.A9 47.15,223.65 v4(47.15,223.85) ; U1_8.P10 v4(52.72,280.21) ; U1_8.P10 v4(52.72,281.34) ; U1_8.P10 v4(52.15,280.78) U1_8.P9 v4(52.72,281.34) ; U1_8.P10 v4(53.28,280.78) U1_8.N10 v4(52.72,281.34) ; U1_4.P3 56.27,167.7 v2(56.84,167.7) ; U1_4.P3 v4(55.5,167.91) U1_4.P2 v4(55.5,166.78) U1_4.P1 v4(54.93,166.21) ; v2(39.45,243.7) 40.55,243.7 U1_7.J1 U1_7.J2 v4(42.25,244.6) ; C6_4.1 v2(39.59,170.24) ; v4(43.85,243) U1_7.K5 ; U1_7.K5 43.97,243.68 43.97,243.8 ; U1_9.F4 v4(88.65,304.55) ; U1_9.F4 v4(88.65,303.75) ; v4(88.65,304.55) U1_9.G4 ; 134.85,368.25 137.9,368.25 U8.F6 138.35,368.75 v1(137.95,368.35) ; 134.85,368.25 v1(133.9,368.25) U8.L6 ; 134.85,368.25 134.85,367.75 ; U1_4.J5 v4(54.93,171.87) ; v1(138.45,79.4) 137.65,79.4 C3_10.1 ; R8.1 v1(126.35,442.25) ; C51.1 v1(131.55,396.85) ; v4(114.25,157) U1_2.F6 ; v4(114.25,157) U1_2.G6 v4(115.05,157) ; v4(114.25,157) U1_2.G5 ; v4(114.25,157) U1_2.F5 v4(113.45,156.2) U1_2.F4 ; 93.45,302.95 U1_9.A5 ; 93.45,302.95 U1_9.A6 ; 93.45,302.95 v4(93.95,302.95) ; U1_9.A5 v4(92.65,303.75) ; U1_9.A5 v4(93.45,303.75) U1_9.A4 ; U1_7.P3 42.65,239.9 v2(43.05,239.5) ; U1_7.P3 v4(43.05,240.6) ; U1_7.P3 v4(42.25,240.6) U1_7.P2 v4(41.45,239.8) U1_7.P1 v4(40.65,239.8) ; v4(87.7,155.4) U1_3.H4 ; v4(87.7,155.4) U1_3.J4 ; U1_3.H4 v4(86.9,156.2) ; v4(51.02,283.04) U1_8.P7 v4(50.46,282.47) ; v4(51.02,283.04) U1_8.N6 v4(50.46,283.61) U1_8.N5 ; v4(51.02,283.04) U1_8.N7 ; U1_1.H5 v4(43.85,217.35) ; U1_1.H5 v4(44.65,218.15) ; v4(110.25,156.2) U1_2.B4 ; v4(110.25,156.2) U1_2.B5 U1_2.C6 U1_2.D5 ; v4(110.25,156.2) U1_2.A4 ; U1_6.P10 v4(110.2,298.95) U1_6.N10 v4(110.2,299.75) ; U1_6.P10 v4(109.4,298.95) ; U1_6.P10 v4(110.2,299.75) ; U1_6.P10 v4(109.4,299.75) U1_6.P9 v4(110.2,299.75) ; U1_9.G5 v4(88.65,303.75) ; U1_9.G5 v4(87.85,302.95) ; U1_3.N5 v4(91.7,157) U1_3.N6 v4(91.7,157.8) ; v4(87.85,302.95) U1_9.H6 v4(87.05,302.95) ; U1_4.B4 v4(49.84,175.83) ; 88.5,156.32 v4(88.5,156.2) U1_3.J4 ; 88.5,156.32 88.38,156.32 U1_3.J5 ; v4(52.15,286.43) U1_8.K5 ; v4(52.15,286.43) U1_8.J5 ; v4(44.65,246.2) U1_7.G5 ; v4(44.65,246.2) U1_7.G6 v4(44.65,245.4) ; v4(44.65,246.2) U1_7.F6 ; U1_7.G5 v4(43.85,246.2) ; U1_7.G5 v4(44.65,245.4) ; U1_7.G5 v4(43.85,245.4) ; 47.85,250.88 v4(47.85,251) ; 47.85,250.88 47.97,250.88 U1_7.A10 ; 47.85,250.88 47.73,250.88 U1_7.A9 ; v4(113.4,302.95) U1_6.J5 ; v4(113.4,302.95) U1_6.J6 v4(114.2,302.95) ; U1_6.J5 v4(114.2,303.75) ; U1_6.J5 113.52,303.63 113.4,303.63 ; U1_6.J5 v4(114.2,302.95) ; v1(153.65,388.7) 153.85,388.9 C78.1 ; 47.85,250.2 U1_7.A9 ; 47.85,250.2 U1_7.B9 v4(47.05,250.2) U1_7.A9 ; 47.85,250.2 U1_7.B10 v4(48.65,250.2) U1_7.A10 ; 47.85,250.2 U1_7.A10 ; U1_7.A9 47.15,250.9 v4(47.15,251.1) ; U1_3.B4 v4(82.1,156.2) ; U1_3.B4 v4(82.9,155.4) ; U1_3.B4 v4(82.1,155.4) U1_3.A4 ; v4(82.1,156.2) U1_3.A4 ; U1_8.A9 v4(60.07,288.7) U1_8.A10 ; U1_8.A9 59.51,288.13 ; U1_8.A9 59.51,289.12 v4(59.65,289.26) ; U1_8.A9 v4(58.94,288.7) U1_8.B9 59.51,288.13 ; U1_1.A10 47.97,223.63 47.85,223.63 ; U1_1.H9 47.48,217.72 48.22,217.72 U1_1.H10 48.28,217.72 48.71,217.72 v4(49.04,217.4) ; v4(44.65,216.55) U1_1.J5 ; v4(52.72,281.34) U1_8.N9 ; U1_2.B4 v4(111.05,155.4) ; U1_2.B4 v4(110.25,155.4) U1_2.A4 ; v4(111.05,155.4) U1_2.C4 v4(111.85,156.2) U1_2.D5 ; RN2.2 v1(118.55,36.7) ; v4(53.85,287) U1_8.H6 v4(53.28,286.43) ; v4(53.85,287) U1_8.G6 v4(54.42,287.57) ; v4(53.85,287) U1_8.G5 ; v4(53.85,287) U1_8.H5 ; v4(84.75,307.05) 85.05,306.75 U1_9.L1 v4(84.65,306.15) U1_9.L2 v4(84.65,305.35) U1_9.M3 v4(84.65,304.55) U1_9.M4 v4(83.85,304.55) U1_9.N4 v4(83.05,304.55) ; C66.1 v1(119.05,374.75) ; v4(45.45,222.95) U1_1.B7 ; U1_3.C3 v4(83.7,154.6) U1_3.D2 U1_3.D1 84.13,153.37 v4(84.13,152.17) ; U1_3.C3 v4(82.9,154.6) ; U1_3.C3 v4(82.9,155.4) ; U1_7.D5 U1_7.C6 U1_7.B5 v4(43.85,250.2) ; U1_7.D5 v4(43.85,247.8) U1_7.E5 ; U1_7.D5 v4(43.85,248.6) U1_7.C4 v4(43.05,249.4) ; U1_9.A6 v4(92.65,302.15) ; U1_9.A6 v4(93.45,302.15) U1_9.A7 v4(92.65,302.15) ; v4(43.85,217.35) U1_1.J4 ; v4(43.85,217.35) U1_1.J5 ; U1_1.J4 v4(43.85,216.55) 43.97,216.55 ; v4(39.82,248.17) 41.02,248.17 U1_7.D1 U1_7.D2 v4(42.25,248.6) U1_7.C3 ; v4(83.05,304.55) U1_9.P3 ; v4(83.05,304.55) U1_9.P4 ; R6.1 v1(128,442.15) ; U1_4.F2 v4(51.54,171.87) U1_4.G3 ; U1_4.F2 v4(50.41,171.87) U1_4.F1 ; U1_4.F2 v4(50.97,172.43) ; R46.2 v1(117.1,388.9) ; 47.85,223.63 v4(47.85,223.75) ; v1(130.85,36.6) 130.95,36.7 RN3.2 ; U1_9.B7 v4(92.65,302.15) ; v4(89.45,305.35) U1_9.F2 ; U1_9.F2 v4(89.45,306.15) U1_9.F1 ; U1_8.E5 v4(54.98,289.26) U1_8.D5 ; C67.1 v1(119.05,375.85) ; U1_1.J5 43.97,216.67 43.97,216.55 ; 86.25,303.63 86.37,303.63 U1_9.J5 ; v4(87.7,157) U1_3.J5 ; v4(54.42,287.57) U1_8.F6 ; v4(54.42,287.57) U1_8.G5 ; 151.1,119.7 150.29,119.7 v1(149.88,119.3) ; U1_1.N7 v4(45.45,213.35) ; v4(45.45,213.35) U1_1.P7 v4(45.45,212.55) ; U8.H7 U8.G7 ; U8.H7 U8.J7 ; U8.H7 v1(135.9,367.25) ; 93.33,304.55 93.33,304.43 U1_9.A4 ; 93.33,304.55 93.33,304.67 U1_9.A3 v4(93.45,305.35) U1_9.A2 v4(93.45,306.15) U1_9.A1 v4(93.45,306.95) ; 93.33,304.55 v4(93.45,304.55) ; 57.81,290.96 U1_8.A6 ; 57.81,290.96 U1_8.A5 ; 57.81,290.96 v4(58.16,291.31) ; U1_8.A6 v4(57.81,289.83) ; U1_8.A6 v4(58.38,290.39) U1_8.A7 v4(57.81,289.83) 